# KiCad board pcb.kicad_pcb
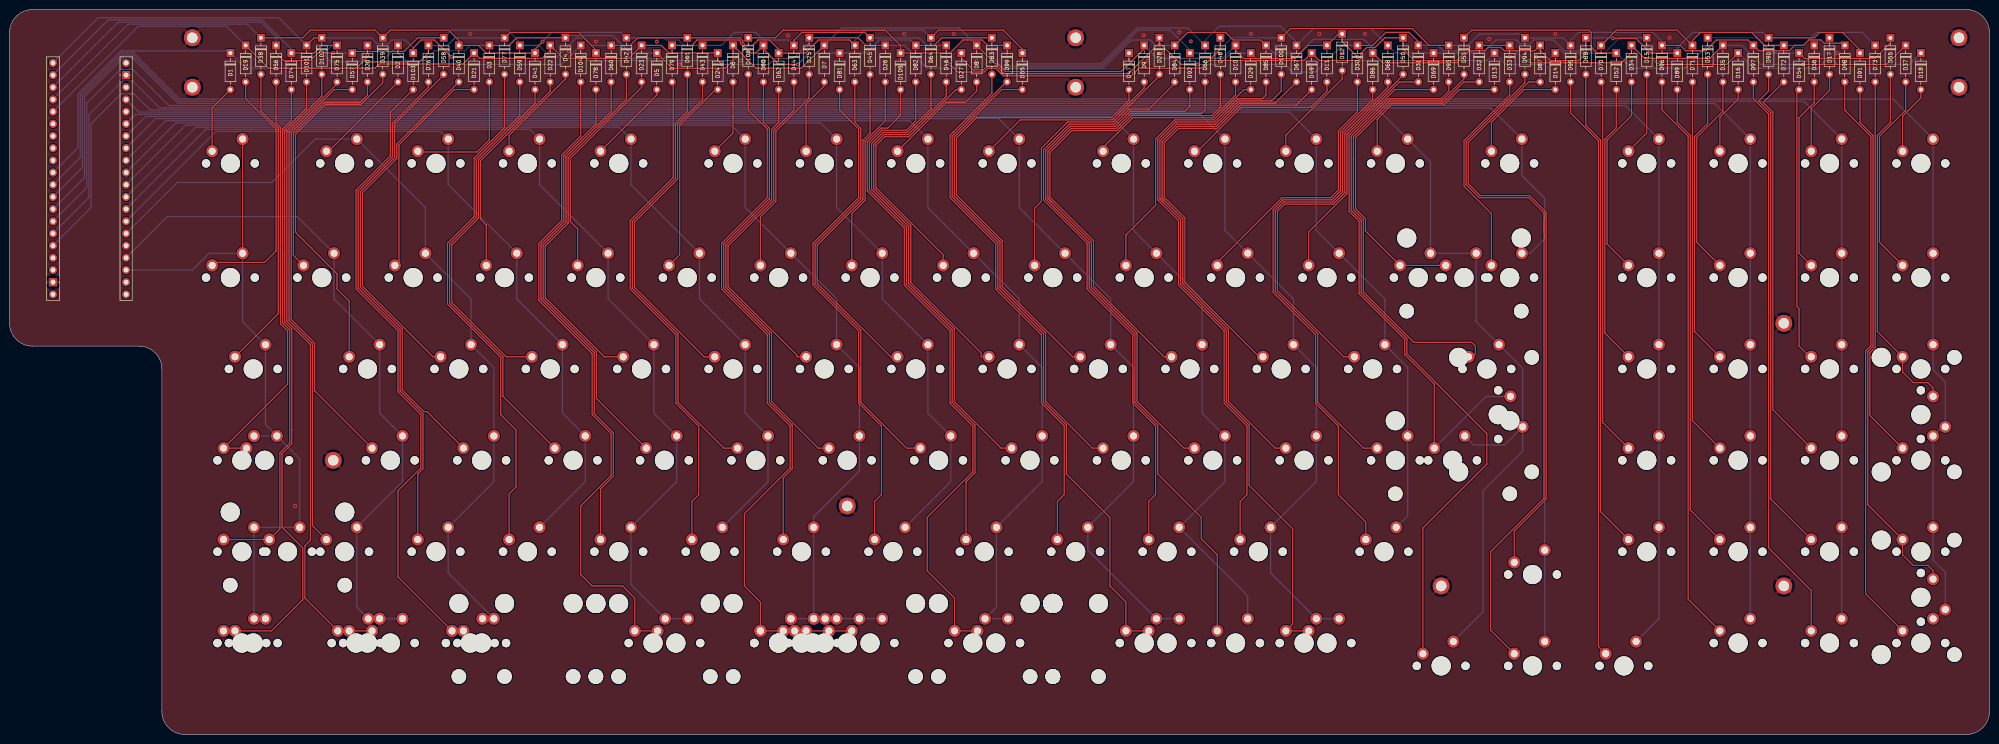
[diagram p0: board, top side]
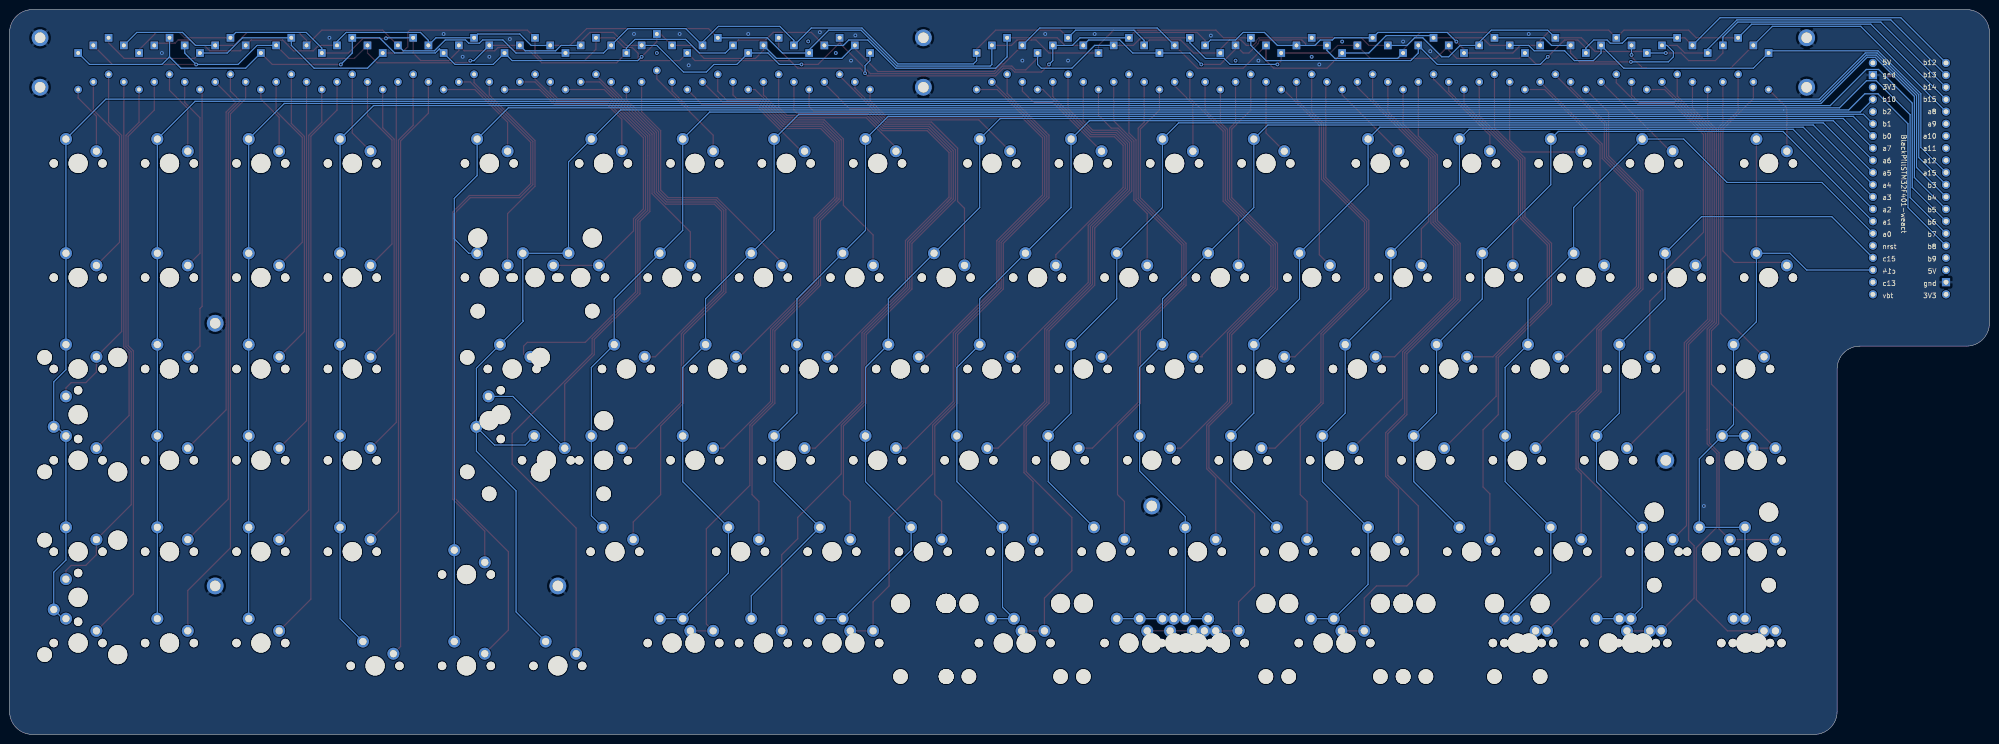
[diagram p1: board, bottom side, seen from below]

Outline 412.75 x 151.13 mm; copper layers: Top, Bottom. Coordinates in mm from the lower left corner of the outline.
Outline path: 0,146.37 0,85.72 arc(1.39,82.36) 4.76,80.96 26.99,80.96 arc(30.36,79.57) 31.75,76.2 31.75,4.76 arc(33.14,1.39) 36.51,0 407.99,0 arc(411.36,1.39) 412.75,4.76 412.75,146.37 arc(411.36,149.74) 407.99,151.13 4.76,151.13 arc(1.39,149.74) 0,146.37
Stack: Top 0.035mm / dielectric 1.51mm FR4 er 4.5 / Bottom 0.035mm

## Placement (name value [footprint] x y rotation side)
2U Stabilizer  2U Stabilizer  [Stabilizer_Cherry_MX_2u]  57.94 38.1 180 top
2U Stabilizer#2  2U Stabilizer  [Stabilizer_Cherry_MX_2u]  205.58 19.05 180 top
2U Stabilizer#3  2U Stabilizer  [Stabilizer_Cherry_MX_2u]  310.36 66.68 270 top
2U Stabilizer#4  2U Stabilizer  [Stabilizer_Cherry_MX_2u]  138.91 19.05 180 top
2U Stabilizer#5  2U Stabilizer  [Stabilizer_Cherry_MX_2u]  134.14 19.05 180 top
2U Stabilizer#6  2U Stabilizer  [Stabilizer_Cherry_MX_2u]  200.82 19.05 180 top
2U Stabilizer#7  2U Stabilizer  [Stabilizer_Cherry_MX_2u]  398.46 28.57 270 top
2U Stabilizer#8  2U Stabilizer  [Stabilizer_Cherry_MX_2u]  303.21 95.25 180 top
2U Stabilizer#9  2U Stabilizer  [Stabilizer_Cherry_MX_2u]  398.46 66.68 270 top
2U Stabilizer#10  2U Stabilizer  [Stabilizer_Cherry_MX_2u]  300.83 57.15 180 top
6.25U Stabilizer  6.25U Stabilizer  [Stabilizer_Cherry_MX_6.25u]  167.48 19.05 180 top
6U Stabilizer  6U Stabilizer  [Stabilizer_Cherry_MX_6u]  169.86 19.05 180 top
7U Stabilizer  7U Stabilizer  [Stabilizer_Cherry_MX_7u]  160.34 19.05 180 top
8U Stabilizer  8U Stabilizer  [Stabilizer_Cherry_MX_8u]  160.34 19.05 180 top
D1  1N4148  [D_DO-35_SOD27_P7.62mm_Horizontal]  46.04 142.08 270 top
D2  1N4148  [D_DO-35_SOD27_P7.62mm_Horizontal]  80.96 143.67 270 top
D3  1N4148  [D_DO-35_SOD27_P7.62mm_Horizontal]  100.01 143.67 270 top
D4  1N4148  [D_DO-35_SOD27_P7.62mm_Horizontal]  115.89 145.26 270 top
D5  1N4148  [D_DO-35_SOD27_P7.62mm_Horizontal]  134.94 142.08 270 top
D6  1N4148  [D_DO-35_SOD27_P7.62mm_Horizontal]  150.81 143.67 270 top
D7  1N4148  [D_DO-35_SOD27_P7.62mm_Horizontal]  169.86 143.67 270 top
D8  1N4148  [D_DO-35_SOD27_P7.62mm_Horizontal]  201.61 143.67 270 top
D9  1N4148  [D_DO-35_SOD27_P7.62mm_Horizontal]  236.54 143.67 270 top
D10  1N4148  [D_DO-35_SOD27_P7.62mm_Horizontal]  255.59 143.67 270 top
D11  1N4148  [D_DO-35_SOD27_P7.62mm_Horizontal]  274.64 143.67 270 top
D12  1N4148  [D_DO-35_SOD27_P7.62mm_Horizontal]  277.81 146.05 270 top
D13  1N4148  [D_DO-35_SOD27_P7.62mm_Horizontal]  309.56 142.08 270 top
D14  1N4148  [D_DO-35_SOD27_P7.62mm_Horizontal]  322.26 142.08 270 top
D15  1N4148  [D_DO-35_SOD27_P7.62mm_Horizontal]  341.31 145.26 270 top
D16  1N4148  [D_DO-35_SOD27_P7.62mm_Horizontal]  360.36 142.08 270 top
D17  1N4148  [D_DO-35_SOD27_P7.62mm_Horizontal]  379.41 145.26 270 top
D18  1N4148  [D_DO-35_SOD27_P7.62mm_Horizontal]  398.46 142.08 270 top
D19  1N4148  [D_DO-35_SOD27_P7.62mm_Horizontal]  49.21 143.67 270 top
D20  1N4148  [D_DO-35_SOD27_P7.62mm_Horizontal]  74.61 143.67 270 top
D21  1N4148  [D_DO-35_SOD27_P7.62mm_Horizontal]  96.84 142.08 270 top
D22  1N4148  [D_DO-35_SOD27_P7.62mm_Horizontal]  112.71 143.67 270 top
D23  1N4148  [D_DO-35_SOD27_P7.62mm_Horizontal]  131.76 143.67 270 top
D24  1N4148  [D_DO-35_SOD27_P7.62mm_Horizontal]  147.64 142.08 270 top
D25  1N4148  [D_DO-35_SOD27_P7.62mm_Horizontal]  166.69 145.26 270 top
D26  1N4148  [D_DO-35_SOD27_P7.62mm_Horizontal]  182.56 143.67 270 top
D27  1N4148  [D_DO-35_SOD27_P7.62mm_Horizontal]  198.44 142.08 270 top
D28  1N4148  [D_DO-35_SOD27_P7.62mm_Horizontal]  239.71 145.26 270 top
D29  1N4148  [D_DO-35_SOD27_P7.62mm_Horizontal]  258.76 142.08 270 top
D30  1N4148  [D_DO-35_SOD27_P7.62mm_Horizontal]  280.99 143.67 270 top
D31  1N4148  [D_DO-35_SOD27_P7.62mm_Horizontal]  293.69 143.67 270 top
D32  1N4148  [D_DO-35_SOD27_P7.62mm_Horizontal]  306.39 143.67 270 top
D33  1N4148  [D_DO-35_SOD27_P7.62mm_Horizontal]  312.74 143.67 270 top
D34  1N4148  [D_DO-35_SOD27_P7.62mm_Horizontal]  338.14 143.67 270 top
D35  1N4148  [D_DO-35_SOD27_P7.62mm_Horizontal]  357.19 143.67 270 top
D36  1N4148  [D_DO-35_SOD27_P7.62mm_Horizontal]  376.24 143.67 270 top
D37  1N4148  [D_DO-35_SOD27_P7.62mm_Horizontal]  395.29 143.67 270 top
D38  1N4148  [D_DO-35_SOD27_P7.62mm_Horizontal]  52.39 145.26 270 top
D39  1N4148  [D_DO-35_SOD27_P7.62mm_Horizontal]  77.79 145.26 270 top
D40  1N4148  [D_DO-35_SOD27_P7.62mm_Horizontal]  93.66 143.67 270 top
D41  1N4148  [D_DO-35_SOD27_P7.62mm_Horizontal]  109.54 142.08 270 top
D42  1N4148  [D_DO-35_SOD27_P7.62mm_Horizontal]  128.59 145.26 270 top
D43  1N4148  [D_DO-35_SOD27_P7.62mm_Horizontal]  144.46 143.67 270 top
D44  1N4148  [D_DO-35_SOD27_P7.62mm_Horizontal]  163.51 143.67 270 top
D45  1N4148  [D_DO-35_SOD27_P7.62mm_Horizontal]  179.39 145.26 270 top
D46  1N4148  [D_DO-35_SOD27_P7.62mm_Horizontal]  195.26 143.67 270 top
D47  1N4148  [D_DO-35_SOD27_P7.62mm_Horizontal]  233.36 142.08 270 top
D48  1N4148  [D_DO-35_SOD27_P7.62mm_Horizontal]  252.41 145.26 270 top
D49  1N4148  [D_DO-35_SOD27_P7.62mm_Horizontal]  271.46 142.08 270 top
D50  1N4148  [D_DO-35_SOD27_P7.62mm_Horizontal]  290.51 145.26 270 top
D51  1N4148  [D_DO-35_SOD27_P7.62mm_Horizontal]  303.21 145.26 270 top
D52  1N4148  [D_DO-35_SOD27_P7.62mm_Horizontal]  334.96 142.08 270 top
D53  1N4148  [D_DO-35_SOD27_P7.62mm_Horizontal]  354.01 145.26 270 top
D54  1N4148  [D_DO-35_SOD27_P7.62mm_Horizontal]  373.06 142.08 270 top
D55  1N4148  [D_DO-35_SOD27_P7.62mm_Horizontal]  392.11 145.26 270 top
D56  1N4148  [D_DO-35_SOD27_P7.62mm_Horizontal]  55.56 143.67 270 top
D57  1N4148  [D_DO-35_SOD27_P7.62mm_Horizontal]  71.44 142.08 270 top
D58  1N4148  [D_DO-35_SOD27_P7.62mm_Horizontal]  90.49 145.26 270 top
D59  1N4148  [D_DO-35_SOD27_P7.62mm_Horizontal]  106.36 143.67 270 top
D60  1N4148  [D_DO-35_SOD27_P7.62mm_Horizontal]  125.41 143.67 270 top
D61  1N4148  [D_DO-35_SOD27_P7.62mm_Horizontal]  141.29 145.26 270 top
D62  1N4148  [D_DO-35_SOD27_P7.62mm_Horizontal]  160.34 142.08 270 top
D63  1N4148  [D_DO-35_SOD27_P7.62mm_Horizontal]  176.21 143.67 270 top
D64  1N4148  [D_DO-35_SOD27_P7.62mm_Horizontal]  192.09 145.26 270 top
D65  1N4148  [D_DO-35_SOD27_P7.62mm_Horizontal]  211.14 142.08 270 top
D66  1N4148  [D_DO-35_SOD27_P7.62mm_Horizontal]  249.24 143.67 270 top
D67  1N4148  [D_DO-35_SOD27_P7.62mm_Horizontal]  268.29 143.67 270 top
D68  1N4148  [D_DO-35_SOD27_P7.62mm_Horizontal]  287.34 143.67 270 top
D69  1N4148  [D_DO-35_SOD27_P7.62mm_Horizontal]  296.86 142.08 270 top
D70  1N4148  [D_DO-35_SOD27_P7.62mm_Horizontal]  331.79 143.67 270 top
D71  1N4148  [D_DO-35_SOD27_P7.62mm_Horizontal]  350.84 143.67 270 top
D72  1N4148  [D_DO-35_SOD27_P7.62mm_Horizontal]  369.89 143.67 270 top
D73  1N4148  [D_DO-35_SOD27_P7.62mm_Horizontal]  388.94 143.67 270 top
D74  1N4148  [D_DO-35_SOD27_P7.62mm_Horizontal]  58.74 142.08 270 top
D75  1N4148  [D_DO-35_SOD27_P7.62mm_Horizontal]  68.26 143.67 270 top
D76  1N4148  [D_DO-35_SOD27_P7.62mm_Horizontal]  87.31 143.67 270 top
D77  1N4148  [D_DO-35_SOD27_P7.62mm_Horizontal]  103.19 145.26 270 top
D78  1N4148  [D_DO-35_SOD27_P7.62mm_Horizontal]  122.24 142.08 270 top
D79  1N4148  [D_DO-35_SOD27_P7.62mm_Horizontal]  138.11 143.67 270 top
D80  1N4148  [D_DO-35_SOD27_P7.62mm_Horizontal]  157.16 143.67 270 top
D81  1N4148  [D_DO-35_SOD27_P7.62mm_Horizontal]  173.04 142.08 270 top
D82  1N4148  [D_DO-35_SOD27_P7.62mm_Horizontal]  188.91 143.67 270 top
D83  1N4148  [D_DO-35_SOD27_P7.62mm_Horizontal]  204.79 145.26 270 top
D84  1N4148  [D_DO-35_SOD27_P7.62mm_Horizontal]  242.89 143.67 270 top
D85  1N4148  [D_DO-35_SOD27_P7.62mm_Horizontal]  261.94 143.67 270 top
D86  1N4148  [D_DO-35_SOD27_P7.62mm_Horizontal]  284.16 142.08 270 top
D87  1N4148  [D_DO-35_SOD27_P7.62mm_Horizontal]  319.09 143.67 270 top
D88  1N4148  [D_DO-35_SOD27_P7.62mm_Horizontal]  328.61 145.26 270 top
D89  1N4148  [D_DO-35_SOD27_P7.62mm_Horizontal]  347.66 142.08 270 top
D90  1N4148  [D_DO-35_SOD27_P7.62mm_Horizontal]  366.71 145.26 270 top
D91  1N4148  [D_DO-35_SOD27_P7.62mm_Horizontal]  385.76 142.08 270 top
D92  1N4148  [D_DO-35_SOD27_P7.62mm_Horizontal]  246.06 142.08 270 top
D93  1N4148  [D_DO-35_SOD27_P7.62mm_Horizontal]  300.04 143.67 270 top
D94  1N4148  [D_DO-35_SOD27_P7.62mm_Horizontal]  315.91 145.26 270 top
D95  1N4148  [D_DO-35_SOD27_P7.62mm_Horizontal]  325.44 143.67 270 top
D96  1N4148  [D_DO-35_SOD27_P7.62mm_Horizontal]  344.49 143.67 270 top
D97  1N4148  [D_DO-35_SOD27_P7.62mm_Horizontal]  363.54 143.67 270 top
D98  1N4148  [D_DO-35_SOD27_P7.62mm_Horizontal]  382.59 143.67 270 top
D99  1N4148  [D_DO-35_SOD27_P7.62mm_Horizontal]  207.96 143.67 270 top
D100  1N4148  [D_DO-35_SOD27_P7.62mm_Horizontal]  265.11 145.26 270 top
D101  1N4148  [D_DO-35_SOD27_P7.62mm_Horizontal]  61.91 143.67 270 top
D102  1N4148  [D_DO-35_SOD27_P7.62mm_Horizontal]  65.09 145.26 270 top
D103  1N4148  [D_DO-35_SOD27_P7.62mm_Horizontal]  84.14 142.08 270 top
D104  1N4148  [D_DO-35_SOD27_P7.62mm_Horizontal]  119.06 143.67 270 top
D105  1N4148  [D_DO-35_SOD27_P7.62mm_Horizontal]  185.74 142.08 270 top
D106  1N4148  [D_DO-35_SOD27_P7.62mm_Horizontal]  153.99 145.26 270 top
MH2  Mount-M2  [mount]  67.47 57.15 0 top
NOREF  -  [unnamed]  369.89 85.72 0 top
NOREF#2  -  [unnamed]  38.1 134.94 0 top
NOREF#3  -  [unnamed]  174.62 47.62 0 top
NOREF#4  -  [unnamed]  38.1 145.26 0 top
NOREF#5  -  [unnamed]  222.25 134.94 0 top
NOREF#6  -  [unnamed]  222.25 145.26 0 top
NOREF#7  -  [unnamed]  298.45 30.96 0 top
NOREF#8  -  [unnamed]  406.4 145.26 0 top
NOREF#9  -  [unnamed]  369.89 30.96 0 top
NOREF#10  -  [unnamed]  406.4 134.94 0 top
SW1  1U  [SW_Cherry_MX_PCB_1.00u]  46.04 119.06 0 top
SW2  1U  [SW_Cherry_MX_PCB_1.00u]  69.85 119.06 0 top
SW3  1U  [SW_Cherry_MX_PCB_1.00u]  88.9 119.06 0 top
SW4  1U  [SW_Cherry_MX_PCB_1.00u]  107.95 119.06 0 top
SW5  1U  [SW_Cherry_MX_PCB_1.00u]  127 119.06 0 top
SW6  1U  [SW_Cherry_MX_PCB_1.00u]  150.81 119.06 0 top
SW7  1U  [SW_Cherry_MX_PCB_1.00u]  169.86 119.06 0 top
SW8  1U  [SW_Cherry_MX_PCB_1.00u]  188.91 119.06 0 top
SW9  1U  [SW_Cherry_MX_PCB_1.00u]  207.96 119.06 0 top
SW10  1U  [SW_Cherry_MX_PCB_1.00u]  231.77 119.06 0 top
SW11  1U  [SW_Cherry_MX_PCB_1.00u]  250.82 119.06 0 top
SW12  1U  [SW_Cherry_MX_PCB_1.00u]  269.88 119.06 0 top
SW13  1U  [SW_Cherry_MX_PCB_1.00u]  288.93 119.06 0 top
SW14  1U  [SW_Cherry_MX_PCB_1.00u]  312.74 119.06 0 top
SW15  1U  [SW_Cherry_MX_PCB_1.00u]  341.31 119.06 0 top
SW16  1U  [SW_Cherry_MX_PCB_1.00u]  360.36 119.06 0 top
SW17  1U  [SW_Cherry_MX_PCB_1.00u]  379.41 119.06 0 top
SW18  1U  [SW_Cherry_MX_PCB_1.00u]  398.46 119.06 0 top
SW19  2U  [SW_Cherry_MX_PCB_2.00u]  303.21 95.25 0 top
SW20  1U  [SW_Cherry_MX_PCB_1.00u]  46.04 95.25 0 top
SW21  1U  [SW_Cherry_MX_PCB_1.00u]  65.09 95.25 0 top
SW22  1U  [SW_Cherry_MX_PCB_1.00u]  84.14 95.25 0 top
SW23  1U  [SW_Cherry_MX_PCB_1.00u]  103.19 95.25 0 top
SW24  1U  [SW_Cherry_MX_PCB_1.00u]  122.24 95.25 0 top
SW25  1U  [SW_Cherry_MX_PCB_1.00u]  141.29 95.25 0 top
SW26  1U  [SW_Cherry_MX_PCB_1.00u]  160.34 95.25 0 top
SW27  1U  [SW_Cherry_MX_PCB_1.00u]  179.39 95.25 0 top
SW28  1U  [SW_Cherry_MX_PCB_1.00u]  198.44 95.25 0 top
SW29  1U  [SW_Cherry_MX_PCB_1.00u]  217.49 95.25 0 top
SW30  1U  [SW_Cherry_MX_PCB_1.00u]  236.54 95.25 0 top
SW31  1U  [SW_Cherry_MX_PCB_1.00u]  255.59 95.25 0 top
SW32  1U  [SW_Cherry_MX_PCB_1.00u]  274.64 95.25 0 top
SW33  1U  [SW_Cherry_MX_PCB_1.00u]  293.69 95.25 0 top
SW34  1U  [SW_Cherry_MX_PCB_1.00u]  312.74 95.25 0 top
SW35  1U  [SW_Cherry_MX_PCB_1.00u]  341.31 95.25 0 top
SW36  1U  [SW_Cherry_MX_PCB_1.00u]  360.36 95.25 0 top
SW37  1U  [SW_Cherry_MX_PCB_1.00u]  379.41 95.25 0 top
SW38  1U  [SW_Cherry_MX_PCB_1.00u]  398.46 95.25 0 top
SW39  2U  [SW_Cherry_MX_PCB_2.00u]  398.46 66.68 270 top
SW40  1.5U  [SW_Cherry_MX_PCB_1.50u]  50.8 76.2 0 top
SW41  1U  [SW_Cherry_MX_PCB_1.00u]  74.61 76.2 0 top
SW42  1U  [SW_Cherry_MX_PCB_1.00u]  93.66 76.2 0 top
SW43  1U  [SW_Cherry_MX_PCB_1.00u]  112.71 76.2 0 top
SW44  1U  [SW_Cherry_MX_PCB_1.00u]  131.76 76.2 0 top
SW45  1U  [SW_Cherry_MX_PCB_1.00u]  150.81 76.2 0 top
SW46  1U  [SW_Cherry_MX_PCB_1.00u]  169.86 76.2 0 top
SW47  1U  [SW_Cherry_MX_PCB_1.00u]  188.91 76.2 0 top
SW48  1U  [SW_Cherry_MX_PCB_1.00u]  207.96 76.2 0 top
SW49  1U  [SW_Cherry_MX_PCB_1.00u]  227.01 76.2 0 top
SW50  1U  [SW_Cherry_MX_PCB_1.00u]  246.06 76.2 0 top
SW51  1U  [SW_Cherry_MX_PCB_1.00u]  265.11 76.2 0 top
SW52  1U  [SW_Cherry_MX_PCB_1.00u]  284.16 76.2 0 top
SW53  1.5U  [SW_Cherry_MX_PCB_1.50u]  307.97 76.2 0 top
SW54  1U  [SW_Cherry_MX_PCB_1.00u]  341.31 76.2 0 top
SW55  1U  [SW_Cherry_MX_PCB_1.00u]  360.36 76.2 0 top
SW56  1U  [SW_Cherry_MX_PCB_1.00u]  379.41 76.2 0 top
SW57  1U  [SW_Cherry_MX_PCB_1.00u]  398.46 76.2 0 top
SW58  ISO ENTER  [SW_Cherry_MX_PCB_ISOEnter_Rotated90]  310.36 66.68 270 top
SW59  CAPSLOCK  [SW_Cherry_MX_PCB_1.75u]  53.18 57.15 0 top
SW60  1U  [SW_Cherry_MX_PCB_1.00u]  79.38 57.15 0 top
SW61  1U  [SW_Cherry_MX_PCB_1.00u]  98.42 57.15 0 top
SW62  1U  [SW_Cherry_MX_PCB_1.00u]  117.48 57.15 0 top
SW63  1U  [SW_Cherry_MX_PCB_1.00u]  136.52 57.15 0 top
SW64  1U  [SW_Cherry_MX_PCB_1.00u]  155.57 57.15 0 top
SW65  1U  [SW_Cherry_MX_PCB_1.00u]  174.62 57.15 0 top
SW66  1U  [SW_Cherry_MX_PCB_1.00u]  193.68 57.15 0 top
SW67  1U  [SW_Cherry_MX_PCB_1.00u]  212.72 57.15 0 top
SW68  1U  [SW_Cherry_MX_PCB_1.00u]  231.77 57.15 0 top
SW69  1U  [SW_Cherry_MX_PCB_1.00u]  250.82 57.15 0 top
SW70  1U  [SW_Cherry_MX_PCB_1.00u]  269.88 57.15 0 top
SW71  ISO 1U  [SW_Cherry_MX_PCB_1.00u]  288.93 57.15 0 top
SW72  2.25U  [SW_Cherry_MX_PCB_2.25u]  300.83 57.15 0 top
SW73  1U  [SW_Cherry_MX_PCB_1.00u]  341.31 57.15 0 top
SW74  1U  [SW_Cherry_MX_PCB_1.00u]  360.36 57.15 0 top
SW75  1U  [SW_Cherry_MX_PCB_1.00u]  379.41 57.15 0 top
SW76  1U  [SW_Cherry_MX_PCB_1.00u]  398.46 57.15 0 top
SW77  STEPPED  [SW_Cherry_MX_PCB_1.25u]  48.42 57.15 0 top
SW78  2.25U  [SW_Cherry_MX_PCB_2.25u]  57.94 38.1 0 top
SW79  2U  [SW_Cherry_MX_PCB_2.00u]  398.46 28.57 270 top
SW80  ISO SHIFT  [SW_Cherry_MX_PCB_1.25u]  48.42 38.1 0 top
SW81  1U  [SW_Cherry_MX_PCB_1.00u]  69.85 38.1 0 top
SW82  1U  [SW_Cherry_MX_PCB_1.00u]  88.9 38.1 0 top
SW83  1U  [SW_Cherry_MX_PCB_1.00u]  107.95 38.1 0 top
SW84  1U  [SW_Cherry_MX_PCB_1.00u]  127 38.1 0 top
SW85  1U  [SW_Cherry_MX_PCB_1.00u]  146.05 38.1 0 top
SW86  1U  [SW_Cherry_MX_PCB_1.00u]  165.1 38.1 0 top
SW87  1U  [SW_Cherry_MX_PCB_1.00u]  184.15 38.1 0 top
SW88  1U  [SW_Cherry_MX_PCB_1.00u]  203.2 38.1 0 top
SW89  1U  [SW_Cherry_MX_PCB_1.00u]  222.25 38.1 0 top
SW90  1U  [SW_Cherry_MX_PCB_1.00u]  241.3 38.1 0 top
SW91  1U  [SW_Cherry_MX_PCB_1.00u]  260.35 38.1 0 top
SW92  1.75U SHIFT  [SW_Cherry_MX_PCB_1.75u]  286.54 38.1 0 top
SW93  1U  [SW_Cherry_MX_PCB_1.00u]  317.5 33.34 0 top
SW94  1U  [SW_Cherry_MX_PCB_1.00u]  341.31 38.1 0 top
SW95  1U  [SW_Cherry_MX_PCB_1.00u]  360.36 38.1 0 top
SW96  1U  [SW_Cherry_MX_PCB_1.00u]  379.41 38.1 0 top
SW97  1U  [SW_Cherry_MX_PCB_1.00u]  398.46 38.1 0 top
SW98  1.25U GUI  [SW_Cherry_MX_PCB_1.25u]  72.23 19.05 0 top
SW99  1.25U CTRL  [SW_Cherry_MX_PCB_1.25u]  48.42 19.05 0 top
SW100  1.25U ALT  [SW_Cherry_MX_PCB_1.25u]  96.04 19.05 0 top
SW101  2.75U SPACE  [SW_Cherry_MX_PCB_2.75u]  138.91 19.05 0 top
SW102  6.25U  [SW_Cherry_MX_PCB_6.25u]  167.48 19.05 0 top
SW103  2.25U SPACE  [SW_Cherry_MX_PCB_2.25u]  205.58 19.05 0 top
SW104  1U ALT  [SW_Cherry_MX_PCB_1.00u]  236.54 19.05 0 top
SW105  1U GUI  [SW_Cherry_MX_PCB_1.00u]  255.59 19.05 0 top
SW106  1U CTRL  [SW_Cherry_MX_PCB_1.00u]  274.64 19.05 0 top
SW107  1U  [SW_Cherry_MX_PCB_1.00u]  298.45 14.29 0 top
SW108  1U  [SW_Cherry_MX_PCB_1.00u]  317.5 14.29 0 top
SW109  1U  [SW_Cherry_MX_PCB_1.00u]  336.55 14.29 0 top
SW110  1U  [SW_Cherry_MX_PCB_1.00u]  360.36 19.05 0 top
SW111  1U  [SW_Cherry_MX_PCB_1.00u]  379.41 19.05 0 top
SW112  1U  [SW_Cherry_MX_PCB_1.00u]  398.46 19.05 0 top
SW113  1.5U GUI  [SW_Cherry_MX_PCB_1.50u]  79.38 19.05 0 top
SW114  1.5U CTRL  [SW_Cherry_MX_PCB_1.50u]  50.8 19.05 0 top
SW115  1.5U ALT  [SW_Cherry_MX_PCB_1.50u]  98.42 19.05 0 top
SW116  2.25U SPACE  [SW_Cherry_MX_PCB_2.25u]  134.14 19.05 0 top
SW117  7U  [SW_Cherry_MX_PCB_7.00u]  160.34 19.05 0 top
SW118  2.75U SPACE  [SW_Cherry_MX_PCB_2.75u]  200.82 19.05 0 top
SW119  1.5U ALT  [SW_Cherry_MX_PCB_1.50u]  241.3 19.05 0 top
SW120  1.5U CTRL  [SW_Cherry_MX_PCB_1.50u]  269.88 19.05 0 top
SW121  1U  [SW_Cherry_MX_PCB_1.00u]  74.61 19.05 0 top
SW122  6U  [SW_Cherry_MX_PCB_6.00u]  169.86 19.05 0 top
SW123  6U OFFSET  [SW_Cherry_MX_PCB_6.00u_offset]  179.39 19.05 0 top
SW124  10U  [SW_Cherry_MX_PCB_10.00u]  160.34 19.05 0 top
SW125  1U  [SW_Cherry_MX_PCB_1.00u]  174.62 19.05 0 top
SW126  1U  [SW_Cherry_MX_PCB_1.00u]  165.1 19.05 0 top
U1  BlackPillSTM32F401-weact  [BlackPillSTM32F401CCU6]  16.67 115.89 90 top

## Library data of the parts
D1-D106 = -: Field4: K; Field5: K
U1 = -: Field4: b8; Field5: a1; Field6: a10; Field7: a5; Field8: b4; Field9: b3; Field10: a12; Field11: 5V; Field12: a0; Field13: a8; Field14: a7; Field15: a6; Field16: b1; Field17: a11; Field18: b15; Field19: c14; Field20: a2; Field21: b7; Field22: b12; Field23: b9; Field24: a3; Field25: b5; Field26: gnd; Field27: b2; Field28: c13; Field29: c15; Field30: b10; Field31: 3V3; Field32: a9; Field33: b6; Field34: 3V3; Field35: gnd; Field36: vbt; Field37: a15; Field38: b14; Field39: b13; Field40: 5V; Field41: nrst; Field42: b0; Field43: a4

## Footprints (pads in the part's own frame, mm; a bottom-side part is the same pattern mirrored in y, then rotated)
BlackPillSTM32F401CCU6
  round 1.7 hole 1: 1(24.13,7.62) 2(21.59,7.62) 3(19.05,7.62) 4(16.51,7.62) 5(13.97,7.62) 6(11.43,7.62) 7(8.89,7.62) 8(6.35,7.62) 9(3.81,7.62) 10(1.27,7.62) 11(-1.27,7.62) 12(-3.81,7.62) 13(-6.35,7.62) 14(-8.89,7.62) 15(-11.43,7.62) 16(-13.97,7.62) 17(-16.51,7.62) 18(-19.05,7.62) 20(-24.13,7.62) 21(-24.13,-7.62) 22(-21.59,-7.62) 23(-19.05,-7.62) 24(-16.51,-7.62) 25(-13.97,-7.62) 26(-11.43,-7.62) 27(-8.89,-7.62) 28(-6.35,-7.62) 29(-3.81,-7.62) 30(-1.27,-7.62) 31(1.27,-7.62) 32(3.81,-7.62) 33(6.35,-7.62) 34(8.89,-7.62) 35(11.43,-7.62) 36(13.97,-7.62) 37(16.51,-7.62) 38(19.05,-7.62) 40(24.13,-7.62)
  rect 1.7x1.7 hole 1: 19(-21.59,7.62) 39(21.59,-7.62)
D_DO-35_SOD27_P7.62mm_Horizontal
  rect 1.6x1.6 hole 0.8: 1(0,0)
  oval 1.6x1.6 hole 0.8: 2(7.62,0)
mount
  round 3.5 hole 2.2: 1(0,0)
Stabilizer_Cherry_MX_2u
  round 3.048 hole 3.048 unplated: (-11.938,6.985) (11.938,6.985)
  round 3.988 hole 3.988 unplated: (-11.938,-8.255) (11.938,-8.255)
Stabilizer_Cherry_MX_6.25u
  round 3.048 hole 3.048 unplated: (-50,6.985) (50,6.985)
  round 3.988 hole 3.988 unplated: (-50,-8.255) (50,-8.255)
Stabilizer_Cherry_MX_6u
  round 3.048 hole 3.048 unplated: (-47.625,6.985) (47.625,6.985)
  round 3.988 hole 3.988 unplated: (-47.625,-8.255) (47.625,-8.255)
Stabilizer_Cherry_MX_7u
  round 3.048 hole 3.048 unplated: (-57.15,6.985) (57.15,6.985)
  round 3.988 hole 3.988 unplated: (-57.15,-8.255) (57.15,-8.255)
Stabilizer_Cherry_MX_8u
  round 3.048 hole 3.048 unplated: (-66.675,6.985) (66.675,6.985)
  round 3.988 hole 3.988 unplated: (-66.675,-8.255) (66.675,-8.255)
SW_Cherry_MX_PCB_1.00u
  round 1.75 hole 1.75 unplated: (-5.08,0) (5.08,0)
  round 4 hole 4 unplated: (0,0)
  round 2.5 hole 1.5: 1(-3.81,2.54) 2(2.54,5.08)
SW_Cherry_MX_PCB_1.25u
  round 1.75 hole 1.75 unplated: (-5.08,0) (5.08,0)
  round 4 hole 4 unplated: (0,0)
  round 2.5 hole 1.5: 1(-3.81,2.54) 2(2.54,5.08)
SW_Cherry_MX_PCB_1.50u
  round 1.75 hole 1.75 unplated: (-5.08,0) (5.08,0)
  round 4 hole 4 unplated: (0,0)
  round 2.5 hole 1.5: 1(-3.81,2.54) 2(2.54,5.08)
SW_Cherry_MX_PCB_1.75u
  round 1.75 hole 1.75 unplated: (-5.08,0) (5.08,0)
  round 4 hole 4 unplated: (0,0)
  round 2.5 hole 1.5: 1(-3.81,2.54) 2(2.54,5.08)
SW_Cherry_MX_PCB_2.00u
  round 1.75 hole 1.75 unplated: (-5.08,0) (5.08,0)
  round 4 hole 4 unplated: (0,0)
  round 2.5 hole 1.5: 1(-3.81,2.54) 2(2.54,5.08)
SW_Cherry_MX_PCB_2.25u
  round 1.75 hole 1.75 unplated: (-5.08,0) (5.08,0)
  round 4 hole 4 unplated: (0,0)
  round 2.5 hole 1.5: 1(-3.81,2.54) 2(2.54,5.08)
SW_Cherry_MX_PCB_2.75u
  round 1.75 hole 1.75 unplated: (-5.08,0) (5.08,0)
  round 4 hole 4 unplated: (0,0)
  round 2.5 hole 1.5: 1(-3.81,2.54) 2(2.54,5.08)
SW_Cherry_MX_PCB_6.00u
  round 1.75 hole 1.75 unplated: (-5.08,0) (5.08,0)
  round 4 hole 4 unplated: (0,0)
  round 2.5 hole 1.5: 1(-3.81,2.54) 2(2.54,5.08)
SW_Cherry_MX_PCB_6.00u_offset
  round 1.75 hole 1.75 unplated: (-5.08,0) (5.08,0)
  round 4 hole 4 unplated: (0,0)
  round 2.5 hole 1.5: 1(-3.81,2.54) 2(2.54,5.08)
SW_Cherry_MX_PCB_6.25u
  round 1.75 hole 1.75 unplated: (-5.08,0) (5.08,0)
  round 4 hole 4 unplated: (0,0)
  round 2.5 hole 1.5: 1(-3.81,2.54) 2(2.54,5.08)
SW_Cherry_MX_PCB_7.00u
  round 1.75 hole 1.75 unplated: (-5.08,0) (5.08,0)
  round 4 hole 4 unplated: (0,0)
  round 2.5 hole 1.5: 1(-3.81,2.54) 2(2.54,5.08)
SW_Cherry_MX_PCB_10.00u
  round 1.75 hole 1.75 unplated: (-5.08,0) (5.08,0)
  round 4 hole 4 unplated: (0,0)
  round 2.5 hole 1.5: 1(-3.81,2.54) 2(2.54,5.08)
SW_Cherry_MX_PCB_ISOEnter_Rotated90
  round 1.75 hole 1.75 unplated: (-5.08,0) (5.08,0)
  round 4 hole 4 unplated: (0,0)
  round 2.5 hole 1.5: 1(-3.81,2.54) 2(2.54,5.08)
unnamed
  round 3.5 hole 2.2: 1(0,0)
